# Altium PCB Zilents_TKL.PcbDoc (part 1 of 3)
Units mm, origin at the board's own origin, x right, y up, seen from the top; angles counter-clockwise.
Board outline 1000 x 300 mm, 2 copper layers (Top Layer, Bottom Layer); 442 components, 289 nets, 1638 pads, 43 vias.
Unrouted connection lines stored in the file: 714.
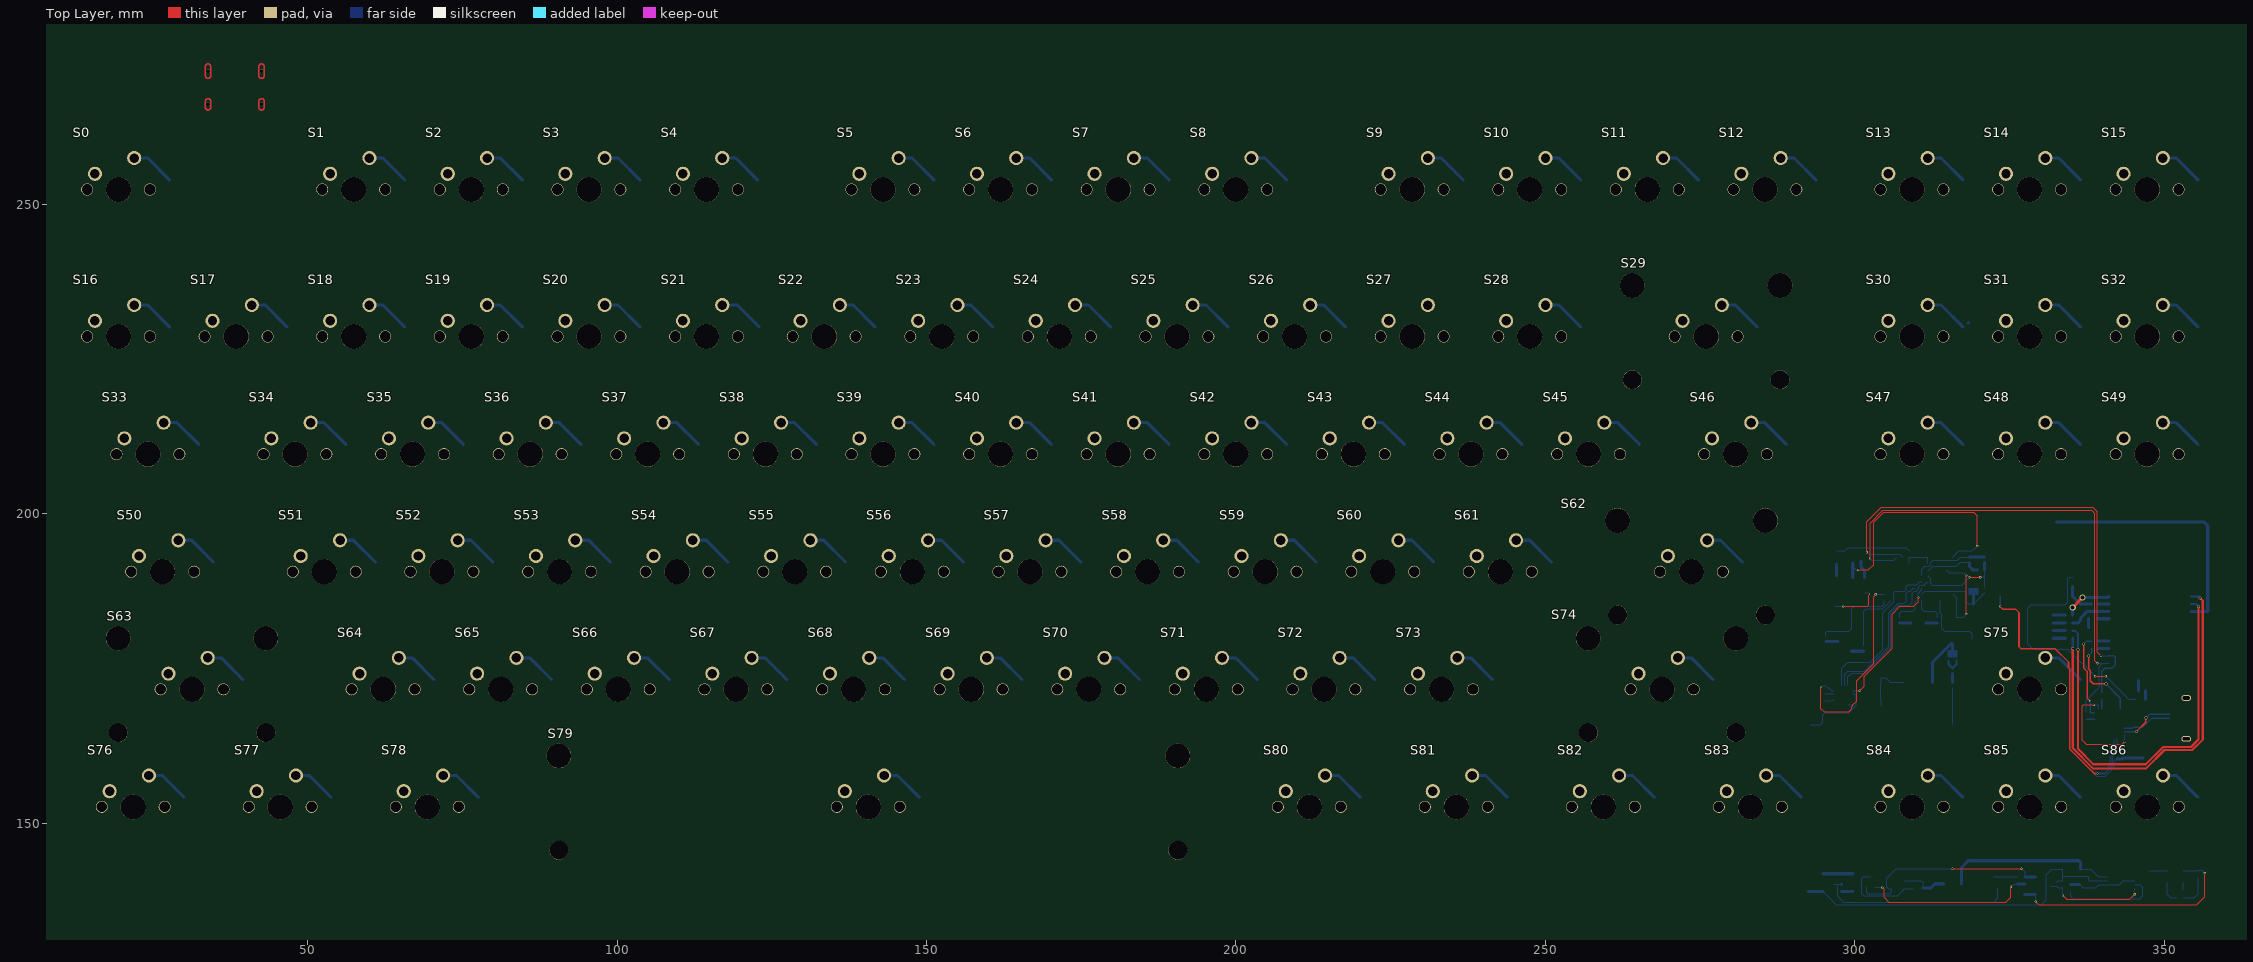
[diagram p0: Top Layer view]
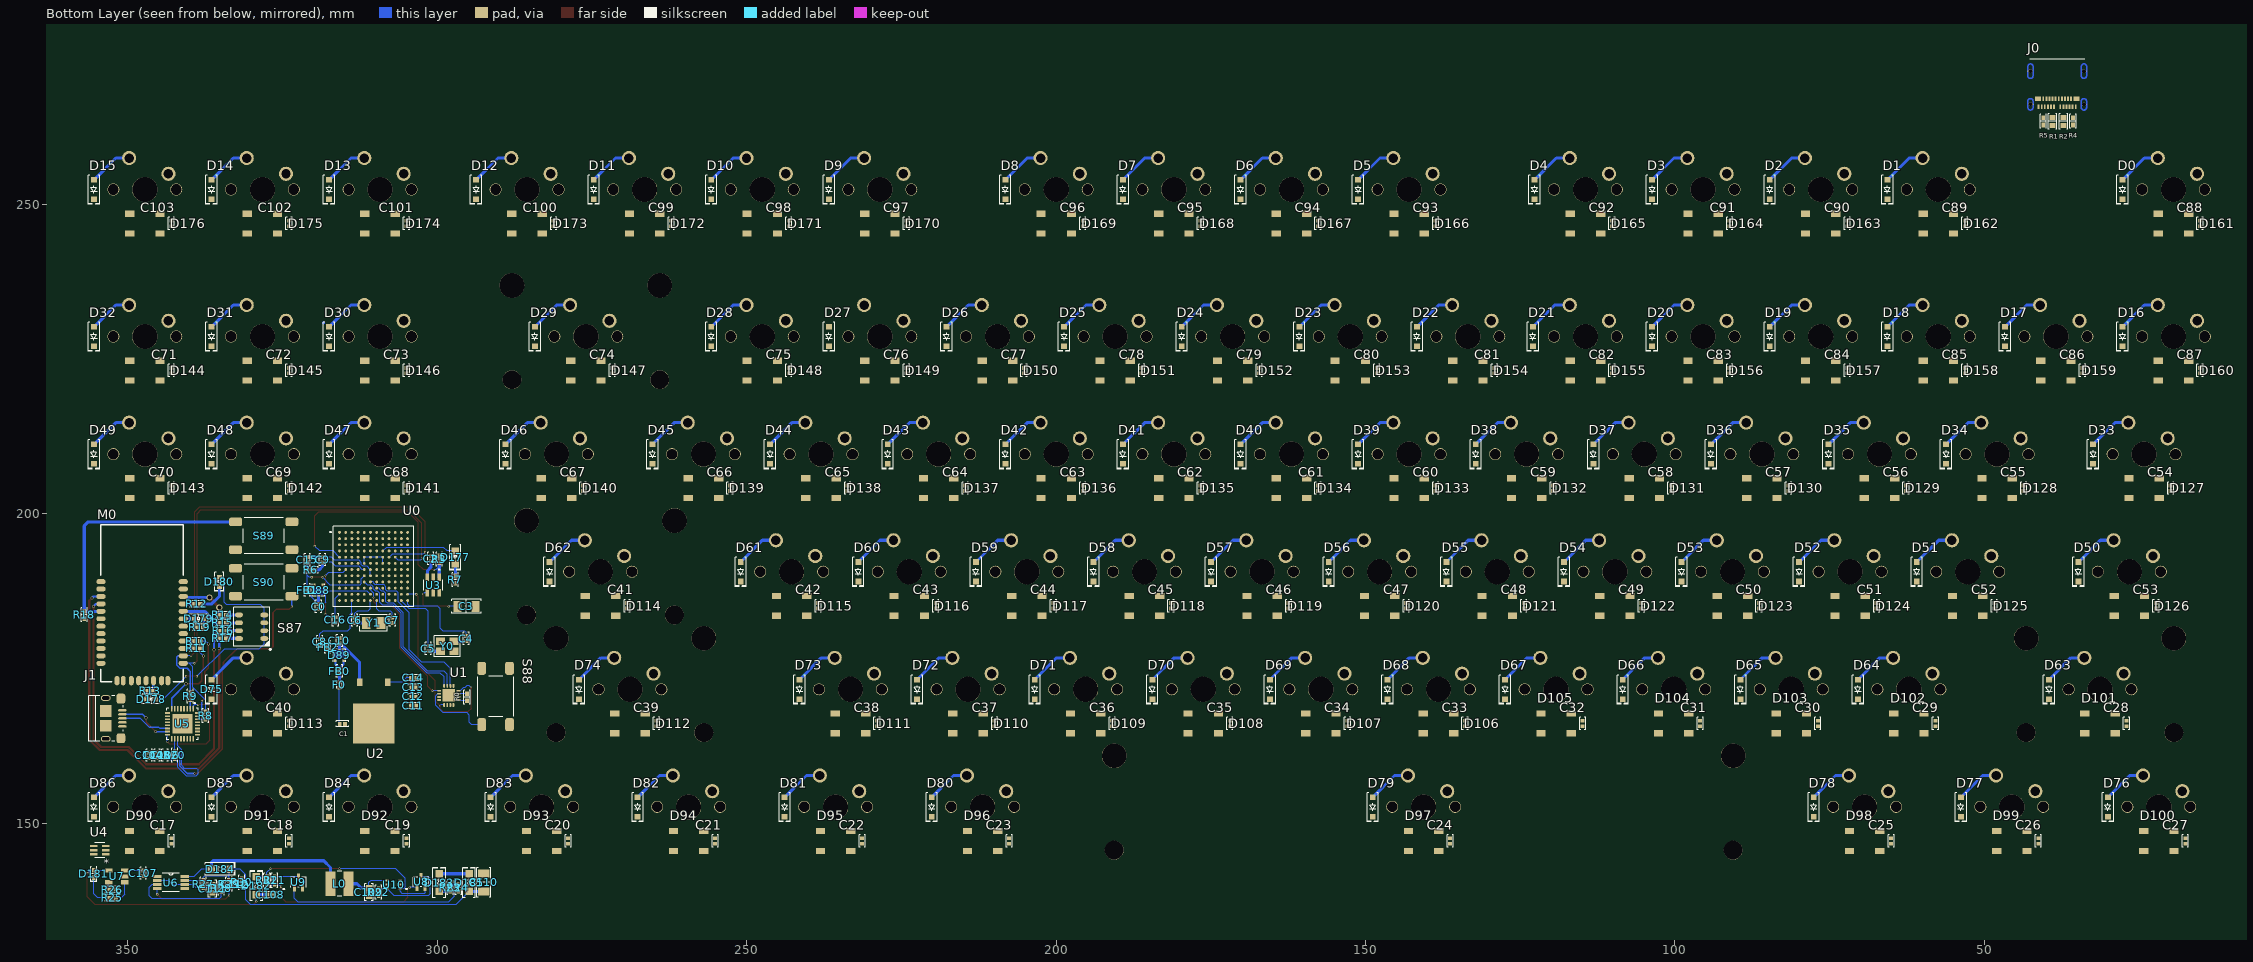
[diagram p1: Bottom Layer view, seen from below]

## Layer stack, top to bottom
Top Solder: solder mask 0.0102, Solder Resist, Dk 3.5
Top Layer: signal copper 0.0356
Dielectric 1: dielectric 0.32, FR-4, Dk 4.8
Bottom Layer: signal copper 0.0356
Bottom Solder: solder mask 0.0102, Solder Resist, Dk 3.5

## Board outline
0,0 1000,0 1000,300 0,300

## Design rules (kind name [scope] priority, off if disabled: settings)
Clearance [All] p1: gap=0.152 ignorepadtopadclearanceinfootprint=TRUE except(0: Arc-Hole Track-Hole SMDPad-Hole THPad-Hole Via-Hole Fill-Hole Poly-Hole Region-Hole Text-Hole; 0.102: Arc-Arc Arc-Track Arc-Fill Arc-Poly Arc-Region Track-Track Track-Fill Track-Poly Track-Region)
ComponentClearance [All] p1: gap=0.203 collisioncheckmode=3 verticalgap=0.203 showdistances=FALSE
HoleSize [All] p1: absolutevalues=TRUE maxlimit=5 minlimit=0.102 maxpercent=80.000 minpercent=20.000
HoleToHoleClearance [All] p1: gap=0.203 allowstackedmicrovias=TRUE
MinimumSolderMaskSliver [All] p1: minsoldermaskwidth=0.051
PolygonConnect [All] p1: connectstyle=Relief reliefconductorwidth=0.254 reliefentries=4 polygonreliefangle="90 Angle" airgapwidth=0.254
RoomDefinition Bat_USB_Switch [InComponentClass('Bat_USB_Switch')] p1: confinementstyle=ConfineIn formatcopy=TRUE lockcomponents=FALSE outline 290.54,137 357,137 357,144 290.54,144
RoomDefinition Processing [InComponentClass('Processing')] p2: confinementstyle=ConfineIn formatcopy=TRUE lockcomponents=FALSE outline 9,277 9,143 357,143 357,277
RoomDefinition BLE [InComponentClass('BLE')] p3: confinementstyle=ConfineIn formatcopy=TRUE lockcomponents=FALSE outline 291.335,206 360,206 360,143 292,143 291.335,142.335
RoomDefinition RGB_Matrix [InComponentClass('RGB_Matrix')] p4: confinementstyle=ConfineIn formatcopy=TRUE lockcomponents=FALSE outline 357,250 9,250 9,143 357,143
RoomDefinition Key_Matrix [InComponentClass('Key_Matrix')] p5: confinementstyle=ConfineIn formatcopy=TRUE lockcomponents=FALSE outline 9,143 357,143 357,265 9,265
RoutingVias [All] p1: holewidth=0.35 width=0.5 viastyle="Through Hole" minholewidth=0.076 minwidth=0.127 maxholewidth=3 maxwidth=1.27
SilkToSilkClearance [All] p1: silktosilkclearance=0.051
SolderMaskExpansion [All] p1: expansion=0.102
ViasUnderSMD [All] p1: allowed=TRUE
Width [All] p1: maxlimit=3 minlimit=0.178 preferedwidth=0.5 minimp=50.000000 maximp=50.000000 favimp=50.000000
25 further rules are at their usual default settings.

## Classes and differential pairs
component class Bat_USB_Switch: C107 C108 C109 C110 C111 C112 D181 D182 D183 D184 D185 L0 R21 R22 R23 R24 R25 R26 R27 R28 R29 R30 R31 U6 U7 U8 U9 U10
net class U5_Nets: NetU5_3 NetU5_6 NetU5_7 NetU5_9 NetU5_10 NetU5_11 NetU5_21 NetU5_22 NetU5_27 NetU5_28 NetU5_31
net class U1_Nets: NetU1_5 NetU1_11 NetU1_12 NetU1_14 NetU1_15 NetU1_16 NetU1_17
net class U0_Nets: NetU0_A6 NetU0_A7 NetU0_A8 NetU0_A10 NetU0_B1 NetU0_B2 NetU0_B3 NetU0_B5 NetU0_B6 NetU0_B7 NetU0_B9 NetU0_B10 NetU0_C1 NetU0_C2 NetU0_C3 NetU0_C5 NetU0_C6 NetU0_C7 NetU0_C9 NetU0_C10 NetU0_C11 NetU0_C12 NetU0_D1 NetU0_D2 NetU0_D3 NetU0_D5 NetU0_D6 NetU0_D7 NetU0_D9 NetU0_D10 NetU0_D11 NetU0_E2 NetU0_E3 NetU0_E4 NetU0_E11 NetU0_E12 NetU0_F1 NetU0_F2 NetU0_F3 NetU0_F4 NetU0_F9 NetU0_F10 NetU0_F11 NetU0_F12 NetU0_G3 NetU0_G4 NetU0_G9 NetU0_G10 NetU0_H4 NetU0_H11 NetU0_H12 NetU0_J2 NetU0_J3 NetU0_J4 NetU0_J7 NetU0_J8 NetU0_J10 NetU0_J11 NetU0_J12 NetU0_K3 NetU0_K5 NetU0_K8 NetU0_K10 NetU0_K11 NetU0_K12 NetU0_L2 NetU0_L3 NetU0_L4 NetU0_L5 NetU0_L7 NetU0_L8 NetU0_L9 NetU0_L11 NetU0_M1 NetU0_M2 NetU0_M4 NetU0_M5 NetU0_M9
net class M0_Nets: NetM0_2 NetM0_6 NetM0_7 NetM0_8 NetM0_9 NetM0_10 NetM0_17 NetM0_18 NetM0_23 NetM0_24 NetM0_30 NetM0_32 NetM0_33 NetM0_34 NetM0_35
net class J1_Nets: NetJ1_4
net class J0_Nets: NetJ0_A2 NetJ0_A3 NetJ0_A8 NetJ0_A10 NetJ0_A11 NetJ0_B2 NetJ0_B3 NetJ0_B8 NetJ0_B10 NetJ0_B11
net class D176_Nets: NetD176_2
net class D88_Nets: NetD88_1
component class BLE: C104 C105 C106 D178 D179 D180 J1 M0 R8 R9 R10 R11 R12 R13 R14 R15 R16 R17 R18 R19 R20 S87 S89 S90 U5
component class RGB_Matrix: C17 C18 C19 C20 C21 C22 C23 C24 C25 C26 C27 C28 C29 C30 C31 C32 C33 C34 C35 C36 C37 C38 C39 C40 C41 C42 C43 C44 C45 C46 C47 C48 C49 C50 C51 C52 C53 C54 C55 C56 C57 C58 C59 C60 C61 C62 C63 C64 C65 C66 C67 C68 C69 C70 C71 C72 C73 C74 C75 C76 C77 C78 C79 C80 C81 C82 C83 C84 C85 C86 C87 C88 C89 C90 C91 C92 C93 C94 C95 C96 C97 C98 C99 C100 C101 C102 C103 D90 D91 D92 D93 D94 D95 D96 D97 D98 D99 D100 D101 D102 D103 D104 D105 D106 D107 D108 D109 D110 D111 D112 D113 D114 D115 D116 D117 D118 D119 D120 D121 D122 D123 D124 D125 D126 D127 D128 D129 D130 D131 D132 D133 D134 D135 D136 D137 D138 D139 D140 D141 D142 D143 D144 D145 D146 D147 D148 D149 D150 D151 D152 D153 D154 D155 D156 D157 D158 D159 D160 D161 D162 D163 D164 D165 D166 D167 D168 D169 D170 D171 D172 D173 D174 D175 D176 U4
component class Processing: C0 C1 C2 C3 C4 C5 C6 C7 C8 C9 C10 C11 C12 C13 C14 C15 C16 D88 D89 D177 F0 FB0 FB1 FB2 J0 R0 R1 R2 R3 R4 R5 R6 R7 S88 U1 U2 U3 Y0 Y1
component class Key_Matrix: D0 D1 D2 D3 D4 D5 D6 D7 D8 D9 D10 D11 D12 D13 D14 D15 D16 D17 D18 D19 D20 D21 D22 D23 D24 D25 D26 D27 D28 D29 D30 D31 D32 D33 D34 D35 D36 D37 D38 D39 D40 D41 D42 D43 D44 D45 D46 D47 D48 D49 D50 D51 D52 D53 D54 D55 D56 D57 D58 D59 D60 D61 D62 D63 D64 D65 D66 D67 D68 D69 D70 D71 D72 D73 D74 D75 D76 D77 D78 D79 D80 D81 D82 D83 D84 D85 D86 S0 S1 S2 S3 S4 S5 S6 S7 S8 S9 S10 S11 S12 S13 S14 S15 S16 S17 S18 S19 S20 S21 S22 S23 S24 S25 S26 S27 S28 S29 S30 S31 S32 S33 S34 S35 S36 S37 S38 S39 S40 S41 S42 S43 S44 S45 S46 S47 S48 S49 S50 S51 S52 S53 S54 S55 S56 S57 S58 S59 S60 S61 S62 S63 S64 S65 S66 S67 S68 S69 S70 S71 S72 S73 S74 S75 S76 S77 S78 S79 S80 S81 S82 S83 S84 S85 S86

## Components (designator, comment, footprint, x,y, rotation, side; value= is the part's Value field where it differs from the comment)
C0 "0.10uF" "CAP 0402/1005" 319.15,184.96 r90 bottom
C1 "2.2uF" "CAP 0402/1005" 315.3,166.025 r0 bottom
C2 "2.2uF" "CAP 0402/1005" 301,192.735 r270 bottom
C3 "100uF" "CAP 1206/3216" 295.25,185 r0 bottom
C4 "10pF" "CAP 0402/1005" 295.3,179.79 r90 bottom
C5 "10pF" "CAP 0402/1005" 301.4,178.19 r90 bottom
C6 "2pF" "CAP 0402/1005" 313.32,182.76 r270 bottom
C7 "2pF" "CAP 0402/1005" 307.2,182.76 r270 bottom
C8 "0.10uF" "CAP 0402/1005" 318.95,179.29 r90 bottom
C9 "0.10uF" "CAP 0402/1005" 318.5,192.535 r270 bottom
C10 "0.10uF" "CAP 0402/1005" 315.76,179.44 r90 bottom
C11 "0.10uF" "CAP 0402/1005" 303.81,168.95 r0 bottom
C12 "10pF" "CAP 0402/1005 RF" 303.81,170.45 r0 bottom
C13 "10pF" "CAP 0402/1005 RF" 303.81,171.95 r0 bottom
C14 "2.2uF" "CAP 0402/1005" 303.81,173.45 r0 bottom
C15 "2.2uF" "CAP 0402/1005" 320.95,192.535 r270 bottom
C16 "2.2uF" "CAP 0402/1005" 316.41,182.81 r90 bottom
C17 "0.10uF" "CAP 0402/1005" 342.92,147.09 r270 bottom
C18 "0.10uF" "CAP 0402/1005" 323.92,147.09 r270 bottom
C19 "0.10uF" "CAP 0402/1005" 304.92,147.09 r270 bottom
C20 "0.10uF" "CAP 0402/1005" 278.815,147.09 r270 bottom
C21 "0.10uF" "CAP 0402/1005" 255.065,147.09 r270 bottom
C22 "0.10uF" "CAP 0402/1005" 231.315,147.09 r270 bottom
C23 "0.10uF" "CAP 0402/1005" 207.565,147.09 r270 bottom
C24 "0.10uF" "CAP 0402/1005" 136.315,147.09 r270 bottom
C25 "0.10uF" "CAP 0402/1005" 65.065,147.09 r270 bottom
C26 "0.10uF" "CAP 0402/1005" 41.295,147.09 r270 bottom
C27 "0.10uF" "CAP 0402/1005" 17.545,147.09 r270 bottom
C28 "0.10uF" "CAP 0402/1005" 27.045,166.09 r270 bottom
C29 "0.10uF" "CAP 0402/1005" 57.92,166.09 r270 bottom
C30 "0.10uF" "CAP 0402/1005" 76.92,166.09 r270 bottom
C31 "0.10uF" "CAP 0402/1005" 95.92,166.09 r270 bottom
C32 "0.10uF" "CAP 0402/1005" 114.92,166.09 r270 bottom
C33 "0.10uF" "CAP 0402/1005" 133.92,166.09 r270 bottom
C34 "0.10uF" "CAP 0402/1005" 152.92,166.09 r270 bottom
C35 "0.10uF" "CAP 0402/1005" 171.92,166.09 r270 bottom
C36 "0.10uF" "CAP 0402/1005" 190.92,166.09 r270 bottom
C37 "0.10uF" "CAP 0402/1005" 209.92,166.09 r270 bottom
C38 "0.10uF" "CAP 0402/1005" 228.92,166.09 r270 bottom
C39 "0.10uF" "CAP 0402/1005" 264.545,166.09 r270 bottom
C40 "0.10uF" "CAP 0402/1005" 323.92,166.09 r270 bottom
C41 "0.10uF" "CAP 0402/1005" 269.295,185.09 r270 bottom
C42 "0.10uF" "CAP 0402/1005" 238.42,185.09 r270 bottom
C43 "0.10uF" "CAP 0402/1005" 219.42,185.09 r270 bottom
C44 "0.10uF" "CAP 0402/1005" 200.42,185.09 r270 bottom
C45 "0.10uF" "CAP 0402/1005" 181.42,185.09 r270 bottom
C46 "0.10uF" "CAP 0402/1005" 162.42,185.09 r270 bottom
C47 "0.10uF" "CAP 0402/1005" 143.42,185.09 r270 bottom
C48 "0.10uF" "CAP 0402/1005" 124.42,185.09 r270 bottom
C49 "0.10uF" "CAP 0402/1005" 105.42,185.09 r270 bottom
C50 "0.10uF" "CAP 0402/1005" 86.42,185.09 r270 bottom
C51 "0.10uF" "CAP 0402/1005" 67.42,185.09 r270 bottom
C52 "0.10uF" "CAP 0402/1005" 48.42,185.09 r270 bottom
C53 "0.10uF" "CAP 0402/1005" 22.295,185.09 r270 bottom
C54 "0.10uF" "CAP 0402/1005" 19.92,204.09 r270 bottom
C55 "0.10uF" "CAP 0402/1005" 43.67,204.09 r270 bottom
C56 "0.10uF" "CAP 0402/1005" 62.67,204.09 r270 bottom
C57 "0.10uF" "CAP 0402/1005" 81.67,204.09 r270 bottom
C58 "0.10uF" "CAP 0402/1005" 100.67,204.09 r270 bottom
C59 "0.10uF" "CAP 0402/1005" 119.67,204.09 r270 bottom
C60 "0.10uF" "CAP 0402/1005" 138.67,204.09 r270 bottom
C61 "0.10uF" "CAP 0402/1005" 157.67,204.09 r270 bottom
C62 "0.10uF" "CAP 0402/1005" 176.67,204.09 r270 bottom
C63 "0.10uF" "CAP 0402/1005" 195.67,204.09 r270 bottom
C64 "0.10uF" "CAP 0402/1005" 214.67,204.09 r270 bottom
C65 "0.10uF" "CAP 0402/1005" 233.67,204.09 r270 bottom
C66 "0.10uF" "CAP 0402/1005" 252.67,204.09 r270 bottom
C67 "0.10uF" "CAP 0402/1005" 276.42,204.09 r270 bottom
C68 "0.10uF" "CAP 0402/1005" 304.92,204.09 r270 bottom
C69 "0.10uF" "CAP 0402/1005" 323.92,204.09 r270 bottom
C70 "0.10uF" "CAP 0402/1005" 342.92,204.09 r270 bottom
C71 "0.10uF" "CAP 0402/1005" 342.92,223.09 r270 bottom
C72 "0.10uF" "CAP 0402/1005" 323.92,223.09 r270 bottom
C73 "0.10uF" "CAP 0402/1005" 304.92,223.09 r270 bottom
C74 "0.10uF" "CAP 0402/1005" 271.67,223.09 r270 bottom
C75 "0.10uF" "CAP 0402/1005" 243.17,223.09 r270 bottom
C76 "0.10uF" "CAP 0402/1005" 224.17,223.09 r270 bottom
C77 "0.10uF" "CAP 0402/1005" 205.17,223.09 r270 bottom
C78 "0.10uF" "CAP 0402/1005" 186.17,223.09 r270 bottom
C79 "0.10uF" "CAP 0402/1005" 167.17,223.09 r270 bottom
C80 "0.10uF" "CAP 0402/1005" 148.17,223.09 r270 bottom
C81 "0.10uF" "CAP 0402/1005" 129.17,223.09 r270 bottom
C82 "0.10uF" "CAP 0402/1005" 110.17,223.09 r270 bottom
C83 "0.10uF" "CAP 0402/1005" 91.17,223.09 r270 bottom
C84 "0.10uF" "CAP 0402/1005" 72.17,223.09 r270 bottom
C85 "0.10uF" "CAP 0402/1005" 53.17,223.09 r270 bottom
C86 "0.10uF" "CAP 0402/1005" 34.17,223.09 r270 bottom
C87 "0.10uF" "CAP 0402/1005" 15.17,223.09 r270 bottom
C88 "0.10uF" "CAP 0402/1005" 15.17,246.84 r270 bottom
C89 "0.10uF" "CAP 0402/1005" 53.17,246.84 r270 bottom
C90 "0.10uF" "CAP 0402/1005" 72.17,246.84 r270 bottom
C91 "0.10uF" "CAP 0402/1005" 91.17,246.84 r270 bottom
C92 "0.10uF" "CAP 0402/1005" 110.17,246.84 r270 bottom
C93 "0.10uF" "CAP 0402/1005" 138.67,246.84 r270 bottom
C94 "0.10uF" "CAP 0402/1005" 157.67,246.84 r270 bottom
C95 "0.10uF" "CAP 0402/1005" 176.67,246.84 r270 bottom
C96 "0.10uF" "CAP 0402/1005" 195.67,246.84 r270 bottom
C97 "0.10uF" "CAP 0402/1005" 224.17,246.84 r270 bottom
C98 "0.10uF" "CAP 0402/1005" 243.17,246.84 r270 bottom
C99 "0.10uF" "CAP 0402/1005" 262.17,246.84 r270 bottom
C100 "0.10uF" "CAP 0402/1005" 281.17,246.84 r270 bottom
C101 "0.10uF" "CAP 0402/1005" 304.92,246.84 r270 bottom
C102 "0.10uF" "CAP 0402/1005" 323.92,246.84 r270 bottom
C103 "0.10uF" "CAP 0402/1005" 342.92,246.84 r270 bottom
C104 "0.10uF" "CAP 0402/1005" 346.5,160.94 r270 bottom
C105 "0.10uF" "CAP 0402/1005" 345.225,160.94 r90 bottom
C106 "0.10uF" "CAP 0402/1005" 343.95,160.94 r90 bottom
C107 "4.7uF" "CAP 0402/1005" 347.45,141.886 r90 bottom
C108 "4.7uF" "CAP 0402/1005" 326.95,138.429 r0 bottom
C109 "22uF" "CAP 0603/1608" 311,138.828 r90 bottom
C110 "68uF" "CAP 1206/3216 - 1.8MM" 292.45,140.399 r90 bottom
C111 "0.1uF" "CAP 0603/1608" 336.275,139.378 r90 bottom
C112 "39pF" "CAP 0201/0603" 332.585,140.128 r270 bottom
D0 "1N4148W-HE3-08" SOD-123 27.69,252.35 r270 bottom
D1 "1N4148W-HE3-08" SOD-123 65.69,252.35 r270 bottom
D2 "1N4148W-HE3-08" SOD-123 84.69,252.35 r270 bottom
D3 "1N4148W-HE3-08" SOD-123 103.69,252.35 r270 bottom
D4 "1N4148W-HE3-08" SOD-123 122.69,252.35 r270 bottom
D5 "1N4148W-HE3-08" SOD-123 151.19,252.35 r270 bottom
D6 "1N4148W-HE3-08" SOD-123 170.19,252.35 r270 bottom
D7 "1N4148W-HE3-08" SOD-123 189.19,252.35 r270 bottom
D8 "1N4148W-HE3-08" SOD-123 208.19,252.35 r270 bottom
D9 "1N4148W-HE3-08" SOD-123 236.69,252.35 r270 bottom
D10 "1N4148W-HE3-08" SOD-123 255.69,252.35 r270 bottom
D11 "1N4148W-HE3-08" SOD-123 274.69,252.35 r270 bottom
D12 "1N4148W-HE3-08" SOD-123 293.69,252.35 r270 bottom
D13 "1N4148W-HE3-08" SOD-123 317.43,252.35 r270 bottom
D14 "1N4148W-HE3-08" SOD-123 336.43,252.35 r270 bottom
D15 "1N4148W-HE3-08" SOD-123 355.43,252.35 r270 bottom
D16 "1N4148W-HE3-08" SOD-123 27.69,228.6 r270 bottom
D17 "1N4148W-HE3-08" SOD-123 46.69,228.6 r270 bottom
D18 "1N4148W-HE3-08" SOD-123 65.69,228.6 r270 bottom
D19 "1N4148W-HE3-08" SOD-123 84.69,228.6 r270 bottom
D20 "1N4148W-HE3-08" SOD-123 103.69,228.6 r270 bottom
D21 "1N4148W-HE3-08" SOD-123 122.96,228.6 r270 bottom
D22 "1N4148W-HE3-08" SOD-123 141.69,228.6 r270 bottom
D23 "1N4148W-HE3-08" SOD-123 160.69,228.6 r270 bottom
D24 "1N4148W-HE3-08" SOD-123 179.69,228.6 r270 bottom
D25 "1N4148W-HE3-08" SOD-123 198.69,228.6 r270 bottom
D26 "1N4148W-HE3-08" SOD-123 217.69,228.6 r270 bottom
D27 "1N4148W-HE3-08" SOD-123 236.69,228.6 r270 bottom
D28 "1N4148W-HE3-08" SOD-123 255.69,228.6 r270 bottom
D29 "1N4148W-HE3-08" SOD-123 284.19,228.6 r270 bottom
D30 "1N4148W-HE3-08" SOD-123 317.43,228.6 r270 bottom
D31 "1N4148W-HE3-08" SOD-123 336.43,228.6 r270 bottom
D32 "1N4148W-HE3-08" SOD-123 355.43,228.6 r270 bottom
D33 "1N4148W-HE3-08" SOD-123 32.44,209.6 r270 bottom
D34 "1N4148W-HE3-08" SOD-123 56.19,209.6 r270 bottom
D35 "1N4148W-HE3-08" SOD-123 75.19,209.6 r270 bottom
D36 "1N4148W-HE3-08" SOD-123 94.19,209.6 r270 bottom
D37 "1N4148W-HE3-08" SOD-123 113.19,209.6 r270 bottom
D38 "1N4148W-HE3-08" SOD-123 132.19,209.6 r270 bottom
D39 "1N4148W-HE3-08" SOD-123 151.19,209.6 r270 bottom
D40 "1N4148W-HE3-08" SOD-123 170.19,209.6 r270 bottom
D41 "1N4148W-HE3-08" SOD-123 189.19,209.6 r270 bottom
D42 "1N4148W-HE3-08" SOD-123 208.19,209.6 r270 bottom
D43 "1N4148W-HE3-08" SOD-123 227.19,209.6 r270 bottom
D44 "1N4148W-HE3-08" SOD-123 246.19,209.6 r270 bottom
D45 "1N4148W-HE3-08" SOD-123 265.19,209.6 r270 bottom
D46 "1N4148W-HE3-08" SOD-123 288.94,209.6 r270 bottom
D47 "1N4148W-HE3-08" SOD-123 317.43,209.6 r270 bottom
D48 "1N4148W-HE3-08" SOD-123 336.43,209.6 r270 bottom
D49 "1N4148W-HE3-08" SOD-123 355.43,209.6 r270 bottom
D50 "1N4148W-HE3-08" SOD-123 34.815,190.6 r270 bottom
D51 "1N4148W-HE3-08" SOD-123 60.94,190.6 r270 bottom
D52 "1N4148W-HE3-08" SOD-123 79.94,190.6 r270 bottom
D53 "1N4148W-HE3-08" SOD-123 98.94,190.6 r270 bottom
D54 "1N4148W-HE3-08" SOD-123 117.94,190.6 r270 bottom
D55 "1N4148W-HE3-08" SOD-123 136.94,190.6 r270 bottom
D56 "1N4148W-HE3-08" SOD-123 155.94,190.6 r270 bottom
D57 "1N4148W-HE3-08" SOD-123 174.94,190.6 r270 bottom
D58 "1N4148W-HE3-08" SOD-123 193.94,190.6 r270 bottom
D59 "1N4148W-HE3-08" SOD-123 212.94,190.6 r270 bottom
D60 "1N4148W-HE3-08" SOD-123 231.94,190.6 r270 bottom
D61 "1N4148W-HE3-08" SOD-123 250.94,190.6 r270 bottom
D62 "1N4148W-HE3-08" SOD-123 281.815,190.6 r270 bottom
D63 "1N4148W-HE3-08" SOD-123 39.565,171.6 r270 bottom
D64 "1N4148W-HE3-08" SOD-123 70.44,171.6 r270 bottom
D65 "1N4148W-HE3-08" SOD-123 89.44,171.6 r270 bottom
D66 "1N4148W-HE3-08" SOD-123 108.44,171.6 r270 bottom
D67 "1N4148W-HE3-08" SOD-123 127.44,171.6 r270 bottom
D68 "1N4148W-HE3-08" SOD-123 146.44,171.6 r270 bottom
D69 "1N4148W-HE3-08" SOD-123 165.44,171.6 r270 bottom
D70 "1N4148W-HE3-08" SOD-123 184.44,171.6 r270 bottom
D71 "1N4148W-HE3-08" SOD-123 203.44,171.6 r270 bottom
D72 "1N4148W-HE3-08" SOD-123 222.44,171.6 r270 bottom
D73 "1N4148W-HE3-08" SOD-123 241.44,171.6 r270 bottom
D74 "1N4148W-HE3-08" SOD-123 277.065,171.6 r270 bottom
D75 "1N4148W-HE3-08" SOD-123 336.43,171.6 r270 bottom
D76 "1N4148W-HE3-08" SOD-123 30.065,152.6 r270 bottom
D77 "1N4148W-HE3-08" SOD-123 53.815,152.6 r270 bottom
D78 "1N4148W-HE3-08" SOD-123 77.585,152.6 r270 bottom
D79 "1N4148W-HE3-08" SOD-123 148.835,152.6 r270 bottom
D80 "1N4148W-HE3-08" SOD-123 220.085,152.6 r270 bottom
D81 "1N4148W-HE3-08" SOD-123 243.835,152.6 r270 bottom
D82 "1N4148W-HE3-08" SOD-123 267.585,152.6 r270 bottom
D83 "1N4148W-HE3-08" SOD-123 291.335,152.6 r270 bottom
D84 "1N4148W-HE3-08" SOD-123 317.43,152.6 r270 bottom
D85 "1N4148W-HE3-08" SOD-123 336.43,152.6 r270 bottom
D86 "1N4148W-HE3-08" SOD-123 355.43,152.6 r270 bottom
D88 "PMEG4010CPA" SOT1061 319.15,187.65 r0 bottom
D89 "PMEG4010CPA" SOT1061 315.76,177.075 r180 bottom
D90 "1655" FCI_1655 347.23,147.09 r0 bottom
D91 "1655" FCI_1655 328.23,147.09 r0 bottom
D92 "1655" FCI_1655 309.23,147.09 r0 bottom
D93 "1655" FCI_1655 283.105,147.09 r0 bottom
D94 "1655" FCI_1655 259.355,147.09 r0 bottom
D95 "1655" FCI_1655 235.605,147.09 r0 bottom
D96 "1655" FCI_1655 211.855,147.09 r0 bottom
D97 "1655" FCI_1655 140.605,147.09 r0 bottom
D98 "1655" FCI_1655 69.355,147.09 r0 bottom
D99 "1655" FCI_1655 45.585,147.09 r0 bottom
D100 "1655" FCI_1655 21.835,147.09 r0 bottom
D101 "1655" FCI_1655 31.335,166.09 r0 bottom
D102 "1655" FCI_1655 62.21,166.09 r0 bottom
D103 "1655" FCI_1655 81.21,166.09 r0 bottom
D104 "1655" FCI_1655 100.21,166.09 r0 bottom
D105 "1655" FCI_1655 119.21,166.09 r0 bottom
D106 "1655" FCI_1655 138.21,166.09 r0 bottom
D107 "1655" FCI_1655 157.21,166.09 r0 bottom
D108 "1655" FCI_1655 176.21,166.09 r0 bottom
D109 "1655" FCI_1655 195.21,166.09 r0 bottom
D110 "1655" FCI_1655 214.21,166.09 r0 bottom
D111 "1655" FCI_1655 233.21,166.09 r0 bottom
D112 "1655" FCI_1655 268.835,166.09 r0 bottom
D113 "1655" FCI_1655 328.21,166.09 r0 bottom
D114 "1655" FCI_1655 273.585,185.09 r0 bottom
D115 "1655" FCI_1655 242.71,185.09 r0 bottom
D116 "1655" FCI_1655 223.71,185.09 r0 bottom
D117 "1655" FCI_1655 204.71,185.09 r0 bottom
D118 "1655" FCI_1655 185.71,185.09 r0 bottom
D119 "1655" FCI_1655 166.71,185.09 r0 bottom
D120 "1655" FCI_1655 147.71,185.09 r0 bottom
D121 "1655" FCI_1655 128.71,185.09 r0 bottom
D122 "1655" FCI_1655 109.71,185.09 r0 bottom
D123 "1655" FCI_1655 90.71,185.09 r0 bottom
D124 "1655" FCI_1655 71.71,185.09 r0 bottom
D125 "1655" FCI_1655 52.71,185.09 r0 bottom
D126 "1655" FCI_1655 26.585,185.09 r0 bottom
D127 "1655" FCI_1655 24.21,204.09 r0 bottom
D128 "1655" FCI_1655 47.96,204.09 r0 bottom
D129 "1655" FCI_1655 66.96,204.09 r0 bottom
D130 "1655" FCI_1655 85.96,204.09 r0 bottom
D131 "1655" FCI_1655 104.96,204.09 r0 bottom
D132 "1655" FCI_1655 123.96,204.09 r0 bottom
D133 "1655" FCI_1655 142.96,204.09 r0 bottom
D134 "1655" FCI_1655 161.96,204.09 r0 bottom
D135 "1655" FCI_1655 180.96,204.09 r0 bottom